# Altium PCB HOUZZkitF1_Tester.PcbDoc (part 1 of 2) (continued)
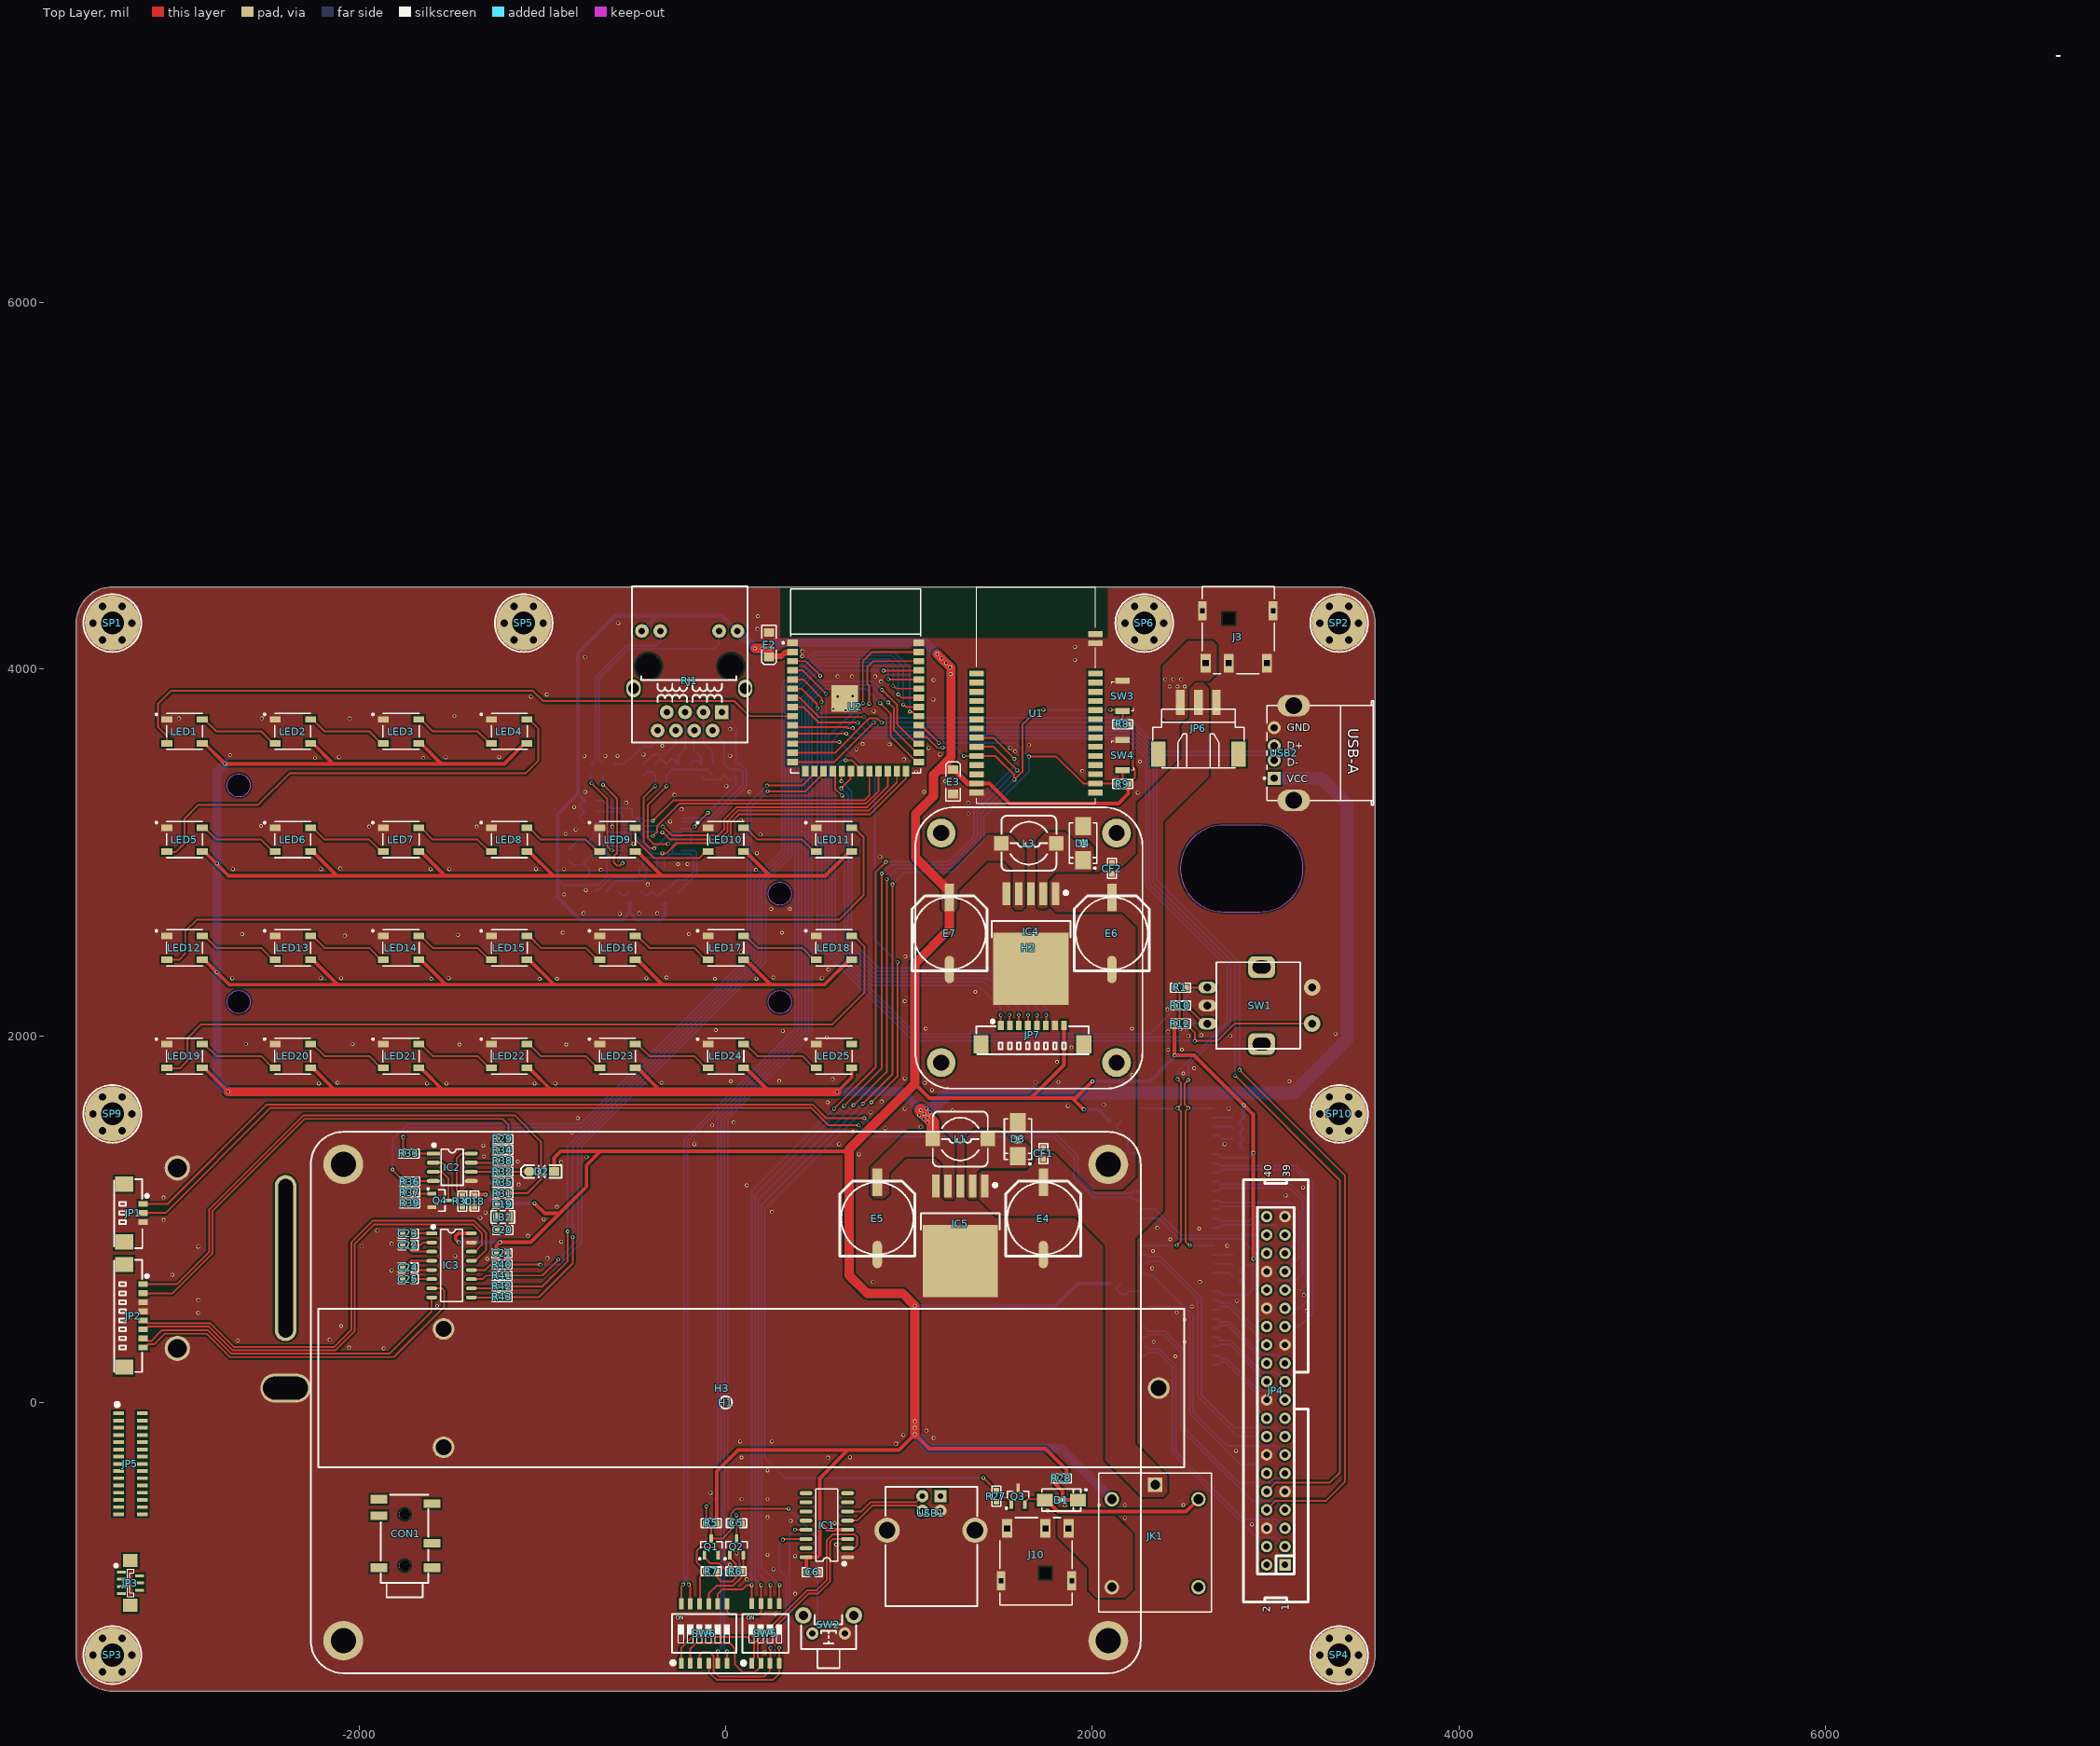
[diagram p0: Top Layer view]
## Footprints (in the part's own frame and the unit in brackets; to place one, negate y for a bottom-side part, rotate by r counter-clockwise, add the part's x,y. Pads: shape width x height; smd on the part's side, far side on the other; paste and mask are expansions set on the pad)
1.69SPI_DISPLAY [mm]
  round 4 hole 2.2: 1(-12.15,15.9) 2(12.15,15.9) 3(12.15,-15.9) 4(-12.15,-15.9)
  silkscreen extent -15.75,-19.5 15.75,19.5
"C 0603_L" [mil] "无极性贴片电容"
  rect 30x30 smd: 1(-30.59,0) 2(30.59,0)
  silkscreen extent -55,-24 55,24, body extent -31,-16 31,16, height 32
"C 1206_L" [mil] "无极性贴片电容"
  rect 55x62 smd: 1(-55.12,0) 2(55.11,0)
  silkscreen extent -92,-41 92,41, body extent -63,-32 63,32, height 48
"CD A(3216)" [mm] "长3.2mm，宽1.6mm，厚1.6mm"
  rect 1.2x1.4 smd: 1(-1.7,0) 2(1.7,0)
  silkscreen extent -2.74,-1.02 2.67,1.02, body extent -1.6,-0.8 1.6,0.8, height 1.6
CDRH73 [mm] "7.3*7.3*3.4mm（长宽高）"
  rect 2x2 smd: 1(-3.81,0) 2(3.81,0)
  silkscreen extent -3.81,-3.81 3.81,3.81, body extent -3.65,-3.65 3.65,3.65, height 3.65
"CM F(10*10.2)" [mm] "贴片电解电容，直径10mm，高10.2mm"
  rect 3.8x1.3 smd: 1(5,0)
  oval 3.8x1.3 smd: 2(-5,0)
  silkscreen extent -5.2,-5.2 5.2,5.2, body extent -5.8,-5.15 5.8,5.15, height 10.2
"CSW1.27 SMD-4P" [mm] "长：6.68mm，宽：5.4mm，高：2.3mm"
  rect 0.65x1.5 smd: 1(-1.905,-4.15) 2(-0.635,-4.15) 3(0.635,-4.15) 4(1.905,-4.15) 5(1.905,4.15) 6(0.635,4.15) 7(-0.635,4.15) 8(-1.905,4.15)
  silkscreen extent -3.3,-4.35 3.18,2.7, body extent -3.34,-4.35 3.34,4.35, height 2.35
"CSW1.27 SMD-6P" [mm] "长：9.22mm，宽：5.4mm，高：2.3mm"
  rect 0.65x1.5 smd: 1(-3.175,-4.15) 2(-1.905,-4.15) 3(-0.635,-4.15) 4(0.635,-4.15) 5(1.905,-4.15) 6(3.175,-4.15) 7(3.175,4.105) 8(1.905,4.105) 9(0.635,4.105) 10(-0.635,4.105) 11(-1.905,4.105) 12(-3.175,4.105)
  silkscreen extent -4.57,-4.31 4.45,2.7, body extent -4.61,-4.35 4.61,4.35, height 2.35
DC-044A [mm] "THT, 5-Pin, Body 11.60x10.10"
  rect 2.6x1.4 hole 0.8 square unplated: 1(4.55,-4.5) 2(4.55,4) 3(4.55,-1.3)
  rect 2.6x1.2 hole 0.6 square unplated: 4(-2.7,4.85) 5(-2.7,-4.95)
  round 0 hole 1.5 square unplated: MH(-1.65,-1.3)
  silkscreen extent -6.05,-5 6.05,5, body extent -6.05,-5 6.05,5, height 7.2
EC11 [mm] "数字开关编码器"
  rrect50% 3.7x3 hole 1.8 slot 2.5 at 0 deg: 0(-0.254,5.334) 0(-0.254,-5.334)
  round 2.3 hole 1.1: 1(-7.25,2.5) 2(-7.25,-2.5)
  oval 2.5x1.6 hole 1.1: A(7.25,-2.5) B(7.25,2.5) C(7.25,0)
  silkscreen extent -5.59,-6 6,6, body extent -7.35,-6.24 7.45,6.24, height 22
ESFS-ESP32-S3-WROOM-1_V [mm] "SMD Module, 40-Leads, Body 18x25.5mm, Pitch 1.27mm"
  rect 1.5x0.9 smd: 1(-8.75,5.26) 2(-8.75,3.99) 3(-8.75,2.72) 4(-8.75,1.45) 5(-8.75,0.18) 6(-8.75,-1.09) 7(-8.75,-2.36) 8(-8.75,-3.63) 9(-8.75,-4.9) 10(-8.75,-6.17) 11(-8.75,-7.44) 12(-8.75,-8.71) 13(-8.75,-9.98) 14(-8.75,-11.25) 27(8.75,-11.25) 28(8.75,-9.98) 29(8.75,-8.71) 30(8.75,-7.44) 31(8.75,-6.17) 32(8.75,-4.9) 33(8.75,-3.63) 34(8.75,-2.36) 35(8.75,-1.09) 36(8.75,0.18) 37(8.75,1.45) 38(8.75,2.72) 39(8.75,3.99) 40(8.75,5.26)
  rect 0.9x1.5 smd: 15(-6.985,-12.5) 16(-5.715,-12.5) 17(-4.445,-12.5) 18(-3.175,-12.5) 19(-1.905,-12.5) 20(-0.635,-12.5) 21(0.635,-12.5) 22(1.905,-12.5) 23(3.175,-12.5) 24(4.445,-12.5) 25(5.715,-12.5) 26(6.985,-12.5)
  rrect0% 3.7x3.7 smd paste-5: 41(-1.5,-2.46)
  silkscreen extent -10.17,-12.75 9,12.75, body extent -9.01,-12.76 9.01,12.75, height 3.21
"FB 0805_L" [mil] "小功率贴片磁珠"
  rect 35x50 smd: 1(-37.4,0) 2(37.4,0)
  silkscreen extent -64,-34 64,34, body extent -39,-24 39,24, height 35
"FPC0.5 K-A-7PB" [mm] "长：7.7mm，宽：5.2mm，高：2mm"
  rect 0.4x1.25 smd mask+0.05: 1(-1.5,-1.25) 2(-1,1.25) 3(-0.5,-1.25) 4(0,1.25) 5(0.5,-1.25) 6(1,1.25) 7(1.5,-1.25)
  rect 1.8x2 smd mask+0.05: 8(3.1,0) 9(-3.1,0)
  silkscreen extent -2.59,-2.19 1.9,0.5, body extent -4.6,-1.73 4.55,1.77, height 4.55
FPC1.0-2H-LI-15P [mm] "翻盖FPC，脚距1mm，不含脚（长19.9mm，宽5.2mm，高1.96mm）"
  rect 0.5x1.5 smd mask+0.05: 1(-7,-1.65) 1(-7,1.65) 2(-6,-1.65) 2(-6,1.65) 3(-5,-1.65) 3(-5,1.65) 4(-4,-1.65) 4(-4,1.65) 5(-3,1.65) 5(-3,-1.65) 6(-2,1.65) 6(-2,-1.65) 7(-1,1.65) 7(-1,-1.65) 8(0,1.65) 8(0,-1.65) 9(1,1.65) 9(1,-1.65) 10(2,1.65) 10(2,-1.65) 11(3,1.65) 11(3,-1.65) 12(4,-1.65) 12(4,1.65) 13(5,-1.65) 13(5,1.65) 14(6,-1.65) 14(6,1.65) 15(7,-1.65) 15(7,1.65)
  silkscreen extent -8.47,-2.08 -7.97,-1.58, body extent -11.05,-2.25 11.05,2.25, height 5.5
HOUZZKIT-F1 [mm]
  round 5.5 hole 3.5: 1(-53,33) 2(53,33) 3(53,-33) 4(-53,-33)
  silkscreen extent -57.5,-37.5 57.5,37.5
IDC2.54-LI-2x20P [mm] "40P简易牛角座"
  rect 1.6x1.6 hole 0.9: 1(0,0)
  round 1.6 hole 0.9: 2(0,2.54) 3(2.54,0) 4(2.54,2.54) 5(5.08,0) 6(5.08,2.54) 7(7.62,0) 8(7.62,2.54) 9(10.16,0) 10(10.16,2.54) 11(12.7,0) 12(12.7,2.54) 13(15.24,0) 14(15.24,2.54) 15(17.78,0) 16(17.78,2.54) 17(20.32,0) 18(20.32,2.54) 19(22.86,0) 20(22.86,2.54) 21(25.4,0) 22(25.4,2.54) 23(27.94,0) 24(27.94,2.54) 25(30.48,0) 26(30.48,2.54) 27(33.02,0) 28(33.02,2.54) 29(35.56,0) 30(35.56,2.54) 31(38.1,0) 32(38.1,2.54) 33(40.64,0) 34(40.64,2.54) 35(43.18,0) 36(43.18,2.54) 37(45.72,0) 38(45.72,2.54) 39(48.26,0) 40(48.26,2.54)
  silkscreen extent -5.11,-3.23 53.37,5.77, body extent -5.08,-3.08 53.34,5.77, height 9.17
"LED 0603B" [mil] "蓝色0603LED"
  rect 30x30 smd: 1(-30.59,0)
  oct 30x30 smd: 2(30.59,0)
  silkscreen extent -54,-24 65,24, body extent -31,-16 31,16, height 24
"LQFP48 7X7_N" [mm] "48脚，体宽7x7mm，脚距0.5mm"
  oval 0.279x1.8 smd: 1(-2.75,-4.075) 2(-2.25,-4.075) 3(-1.75,-4.075) 4(-1.25,-4.075) 5(-0.75,-4.075) 6(-0.25,-4.075) 7(0.25,-4.075) 8(0.75,-4.075) 9(1.25,-4.075) 10(1.75,-4.075) 11(2.25,-4.075) 12(2.75,-4.075) 25(2.75,4.075) 26(2.25,4.075) 27(1.75,4.075) 28(1.25,4.075) 29(0.75,4.075) 30(0.25,4.075) 31(-0.25,4.075) 32(-0.75,4.075) 33(-1.25,4.075) 34(-1.75,4.075) 35(-2.25,4.075) 36(-2.75,4.075)
  oval 1.8x0.279 smd: 13(4.075,-2.75) 14(4.075,-2.25) 15(4.075,-1.75) 16(4.075,-1.25) 17(4.075,-0.75) 18(4.075,-0.25) 19(4.075,0.25) 20(4.075,0.75) 21(4.075,1.25) 22(4.075,1.75) 23(4.075,2.25) 24(4.075,2.75) 37(-4.075,2.75) 38(-4.075,2.25) 39(-4.075,1.75) 40(-4.075,1.25) 41(-4.075,0.75) 42(-4.075,0.25) 43(-4.075,-0.25) 44(-4.075,-0.75) 45(-4.075,-1.25) 46(-4.075,-1.75) 47(-4.075,-2.25) 48(-4.075,-2.75)
  silkscreen extent -3.93,-4.7 2.79,2.79, body extent -4.5,-4.5 4.5,4.5, height 1.45
M3x4_N [mil] "M3铜柱，长：4mm"
  round 40 hole 40: 1(-106,0) 1(-53,-91.8) 1(-53,91.8) 1(53,-91.8) 1(53,91.8) 1(106,0)
  round 300 hole 125: 1(0,0)
  silkscreen extent -157,-157 157,157, body extent -106,-93 106,93, height 159
"MX 1.25-LS-3P" [mm] "长：8.5m，宽：3.7mm，高：4.7mm"
  rect 2.1x2.5 smd: 0(-0.254,-0.381) 0(7.732,-0.381)
  rect 0.8x1.3 smd: 1(2.489,2.261) 2(3.739,2.261) 3(4.989,2.261)
  silkscreen extent -0.92,-1.78 8.61,2.99, body extent -0.7,-1.6 8.2,2.5, height 4.7
"MX 1.25-LS-8P" [mm] "长：14.75m，宽：3.7mm，高：4.7mm"
  rect 2.1x2.5 smd: 0(-7.132,-0.381) 0(7.104,-0.381)
  rect 0.8x1.3 smd: 1(-4.389,2.261) 2(-3.139,2.261) 3(-1.889,2.261) 4(-0.639,2.261) 5(0.611,2.261) 6(1.861,2.261) 7(3.111,2.261) 8(4.361,2.261)
  silkscreen extent -7.79,-1.78 7.77,2.99, body extent -7.57,-1.6 7.57,2.5, height 4.7
"OSC 3225-4P" [mm] "3.2*2.5*0.7mm(长宽高)"
  rect 1.3x1.2 smd: 1(-1.05,-0.85) 2(1.05,-0.85) 3(1.05,0.85) 4(-1.05,0.85)
  silkscreen extent -2.03,-1.75 1.91,1.65, body extent -1.6,-1.25 1.6,1.25, height 0.7
PJ342A [mm] "有头"
  round 1.5 hole 1.5: 0(0,-4.4) 0(0,-11.5)
  rect 2.3x1.2 smd: 1(-3.81,-4.1) 2(3.556,-4.1) 3(-3.81,-7.5) 4(3.556,-11.3) 5(-3.81,-13) 6(3.556,-13.6)
  silkscreen extent -3.3,-14.22 3.3,0, body extent -4.15,-14.1 4.15,0, height 4.7
R44SF [mm]
  round 3 hole 2.2: 1(0,0) 2(-99.11,8.2) 3(-99.11,-8.2)
  oval 7x4 hole 3.2 slot 6.2 at 0 deg: 4(-121,0)
  silkscreen extent -116.48,-11 3.52,11, body extent -116.53,-11.08 3.53,11, height 6.54
"R 0603_L" [mil] "1/10W贴片电阻"
  rect 30x30 smd: 1(-30.59,0) 2(30.59,0)
  silkscreen extent -55,-24 55,24, body extent -31,-16 31,16, height 16
RF-BM-2652P2 [mm]
  rect 2x0.8 smd: 1(-8.231,16.51) 2(-8.231,15.24) 3(-8.231,13.97) 4(-8.231,12.7) 5(-8.231,11.43) 6(-8.231,10.16) 7(-8.231,8.89) 8(-8.231,7.62) 9(-8.231,6.35) 10(-8.231,5.08) 11(-8.231,3.81) 12(-8.231,2.54) 13(-8.231,1.27) 14(-8.231,0) 15(8.232,0.001) 16(8.232,1.271) 17(8.232,2.541) 18(8.232,3.811) 19(8.232,5.081) 20(8.232,6.351) 21(8.232,7.621) 22(8.232,8.891) 23(8.232,10.161) 24(8.232,11.431) 25(8.232,12.701) 26(8.232,13.971) 27(8.232,15.241) 28(8.232,16.511) 29(8.227,20.709) 30(8.234,21.979)
  silkscreen extent -8.23,-1.51 8.25,28.48, body extent -8.2,-1.5 8.2,28.5, height 2.2
RJ-45A12 [mm] "网线接口"
  oval 2x2.5 hole 1.5: 0(-7.695,3.05) 0(7.785,3.05)
  round 3.302 hole 3.5: 0(-5.715,0) 0(5.715,0)
  rect 1.905x1.905 hole 0.9: 1(-4.445,6.35)
  round 1.905 hole 0.9: 2(-3.175,8.89) 3(-1.905,6.35) 4(-0.635,8.89) 5(0.635,6.35) 6(1.905,8.89) 7(3.175,6.35) 8(4.445,8.89) 9(-6.625,-4.9) 10(-4.085,-4.9) 11(4.085,-4.9) 12(6.625,-4.9)
  silkscreen extent -8,-11.1 8,10.54, body extent -7.97,-10.93 7.91,10.47, height 1.5
SMA [mm] "4.5x2.6*2.2mm（长宽高，不包括引脚）"
  rect 2.2x1.75 smd: 1(-2.3,0) 2(2.3,0)
  silkscreen extent -2.7,-1.52 3.56,1.52, body extent -2.53,-1.3 2.58,1.3, height 2.15
SMB [mm] "4.7*3.9*2.2mm(长宽高，不包括引脚）"
  rect 2.5x2.2 smd: 1(-2.35,0) 2(2.35,0)
  silkscreen extent -2.8,-1.9 3.57,1.9, body extent -2.63,-1.8 2.67,1.8, height 2.35
SOD-123 [mil] "2.7x1.6X1.1mm（长宽高，不包括引脚）"
  rect 55x50 smd: 1(-67.5,0)
  oct 55x50 smd: 2(67.5,0)
  silkscreen extent -108,-35 112,35, body extent -73,-31 73,31, height 48
SOP8_N [mm] "5*6*1.8mm（长宽高）"
  rect 1.8x0.55 smd: 1(-2.625,1.905)
  oval 1.8x0.55 smd: 2(-2.625,0.635) 3(-2.625,-0.635) 4(-2.625,-1.905) 5(2.625,-1.905) 6(2.625,-0.635) 7(2.625,0.635) 8(2.625,1.905)
  silkscreen extent -2.69,-2.5 1.52,3.2, body extent -3,-2.5 3,2.5, height 1.9
SOP16_L [mm] "10.3*6.2*1.8mm（长宽高）"
  rect 1.5x0.5 smd: 1(-2.752,4.445)
  oval 1.5x0.5 smd: 2(-2.752,3.175) 3(-2.752,1.905) 4(-2.752,0.635) 5(-2.752,-0.635) 6(-2.752,-1.905) 7(-2.752,-3.175) 8(-2.752,-4.445) 9(2.752,-4.445) 10(2.752,-3.175) 11(2.752,-1.905) 12(2.752,-0.635) 13(2.752,0.635) 14(2.752,1.905) 15(2.752,3.175) 16(2.752,4.445)
  silkscreen extent -2.69,-5 1.52,5.49, body extent -3,-5 3,5, height 1.9
SOP16_N [mm] "10.3*6.2*1.8mm（长宽高）"
  oval 1.8x0.55 smd: 1(-2.877,4.445) 2(-2.877,3.175) 3(-2.877,1.905) 4(-2.877,0.635) 5(-2.877,-0.635) 6(-2.877,-1.905) 7(-2.877,-3.175) 8(-2.877,-4.445) 9(2.877,-4.445) 10(2.877,-3.175) 11(2.877,-1.905) 12(2.877,-0.635) 13(2.877,0.635) 14(2.877,1.905) 15(2.877,3.175) 16(2.877,4.445)
  silkscreen extent -2.57,-5 1.52,5.49, body extent -3,-5 3,5, height 1.9
SOP28_N [mm] "17.9*10.6*2.6mm（长宽高）"
  rect 2.1x0.55 smd: 1(-5.05,8.255)
  oval 2.1x0.55 smd: 2(-5.05,6.985) 3(-5.05,5.715) 4(-5.05,4.445) 5(-5.05,3.175) 6(-5.05,1.905) 7(-5.05,0.635) 8(-5.05,-0.635) 9(-5.05,-1.905) 10(-5.05,-3.175) 11(-5.05,-4.445) 12(-5.05,-5.715) 13(-5.05,-6.985) 14(-5.05,-8.255) 15(5.05,-8.255) 16(5.05,-6.985) 17(5.05,-5.715) 18(5.05,-4.445) 19(5.05,-3.175) 20(5.05,-1.905) 21(5.05,-0.635) 22(5.05,0.635) 23(5.05,1.905) 24(5.05,3.175) 25(5.05,4.445) 26(5.05,5.715) 27(5.05,6.985) 28(5.05,8.255)
  silkscreen extent -5.23,-8.95 3.3,10.31, body extent -5.15,-8.95 5.15,8.95, height 2.7
SOT23-3N [mm] "3x1.3x1mm(长宽高)"
  rect 0.5x1.2 smd: 1(-0.95,-1.143) 2(0.95,-1.143) 3(0,1.143)
  silkscreen extent -1.72,-1.78 1.5,0.7, body extent -1.5,-1.2 1.5,1.2, height 1.05
SRD-03VDC-SL-C [mm] "THD, 5-Leads, Body 19.2x15.6mm"
  rect 2x2 hole 1.3: 1(8.1,0)
  round 2 hole 1.3: 2(6.1,6) 3(-6.1,6) 4(-6.1,-6) 5(6.1,-6)
  silkscreen extent -9.5,-7.8 9.7,7.8, body extent -9.25,-7.54 9.45,7.54, height 14.94
TFCARD_TEST_WIRE_FEMALE [mm]
  round 3.5 hole 2.6: 1(-12.5,0) 2(12.5,0)
  oval 23x3 hole 2 slot 22 at 0 deg: 12(0,-15)
  silkscreen extent -14.75,-11.25 14.75,11.25, body extent -14.75,-11.25 14.75,14.06, height 2.85
TO263-5A [mm] "263，5脚晶体管"
  rect 1.05x3.2 smd: 1(-3.4,0) 2(-1.7,0) 3(0,0) 4(1.7,0) 5(3.4,0)
  rect 10.45x10 smd: 3(0,10.414)
  silkscreen extent -5.46,-0.33 5.46,6.04, body extent -5,-0.01 5,13.32, height 4.5
TS3x4x2 [mm] "防水轻触开关3x4x2"
  rect 2x0.8 smd: 1(0,2.1) 2(0,-2.1)
  silkscreen extent -1.5,-2 1.5,2, body extent -1.5,-2.2 1.5,2.2, height 2
"TSW DIP-6*6*6_V" [mm] "侧按轻触开关 6*6*6mm"
  round 2.3 hole 1.3: 0(-3.5,2.5) 0(3.5,2.5)
  round 1.7 hole 0.9: 1(-2.25,0) 2(2.25,0)
  silkscreen extent -3.81,-4.83 3.81,2.54, body extent -4.18,-4.72 4.18,4.13, height 7.47
USB-A/S_A [mm] "A型直插母头，"
  rect 1.8x1.8 hole 1: 1(0,-3.5)
  round 1.8 hole 1: 2(0,-1) 3(0,1) 4(0,3.5)
  oval 4.5x3 hole 2.3: 4(2.71,-6.57) 4(2.71,6.57)
  silkscreen extent -1.47,-7.25 13.75,7.25, body extent -0.6,-7.34 13.7,7.34, height 6.8
USB-B/S_A [mm] "b型USB 母座 16.3*13.7*11mm"
  rect 1.7x1.7 hole 0.8: 1(1.25,2.032)
  round 1.7 hole 0.8: 2(-1.25,2.032) 3(-1.25,0) 4(1.25,0)
  round 3.5 hole 2.3: 4(-6.141,-2.71) 4(6.051,-2.71)
  silkscreen extent -6.35,-13.21 6.35,3.3, body extent -6.86,-13.16 6.86,3.14, height 11.45
WRSM-SMD5050-4_V [mm] "SMD, 4-Leads, Body 5x5mm"
  rect 1.5x0.9 smd: 1(-2.45,1.65) 2(-2.45,-1.65) 3(2.45,-1.65) 4(2.45,1.65)
  silkscreen extent -2.5,-2.5 4.02,2.5, body extent -2.7,-2.5 2.7,2.5, height 1.68
XH2.54-WS-3P [mm] "长：12.5mm，宽：8mm，高：6.1mm"
  rect 2x3.5 smd: 0(-5.577,-2.15) 0(5.577,-2.15)
  rect 1.2x3.5 smd: 1(-2.5,4.981) 2(0,4.981) 3(2.5,4.981)
  silkscreen extent -6.35,-4.06 6.35,4.06, body extent -6.25,-4 6.25,6.42, height 6.05

## Part data
C5 C6 C7 C8 C9 C10 C11 C12 C13 C14 C15 C16 C26 C27 C28 C29: library part C, "无极性贴片电容", BOM名称=无极性贴片电容, 学习资源=www.ooocke.com, 材质=X7R, 版权归属=源创客
C17: library part C, "2KV", BOM名称=无极性贴片电容, 学习资源=www.ooocke.com, 材质=X7R, 版权归属=源创客
C18 C19 C20 C21 C22 C23 C24 C25: library part C, "x5R 10V", BOM名称=无极性贴片电容, 学习资源=www.ooocke.com, 材质=X7R, 版权归属=源创客
CF1 CF2: library part C, "X7R  25V", BOM名称=无极性贴片电容, 学习资源=www.ooocke.com, 材质=X7R, 版权归属=源创客
CON1: "3.5耳机插座,4Pin", BOM名称=耳机插座, 学习资源=www.ooocke.com, 版权归属=源创客
D1: "整流二极管", BOM名称=整流二极管, 学习资源=www.ooocke.com, 版权归属=源创客
D2: "肖特基二极管", BOM名称=肖特基二极管, 学习资源=www.ooocke.com, 属性=40V/2A, 版权归属=源创客
D3 D4: library part SS24, "肖特基二极管", BOM名称=肖特基二极管, 学习资源=www.ooocke.com, 属性=40V/2A, 版权归属=源创客
E2 E3: library part C-CD, "贴片钽电容", BOM名称=贴片钽电容, 学习资源=www.ooocke.com, 版权归属=源创客
E4 E5 E6 E7: library part C-CM, "贴片电解电容", BOM名称=贴片电解电容, 学习资源=www.ooocke.com, 版权归属=源创客
IC1: library part CH340G, "串口转USB", BOM名称=串口转USB, 学习资源=www.ooocke.com, 版权归属=源创客
IC2: "RS485总线收发芯片", BOM名称=RS485总线收发芯片, 学习资源=www.ooocke.com, 版权归属=源创客
IC4: library part LM2596-5.0, "DC降压芯片"
IC5: library part LM2596-3.3, "DC降压芯片"
J3 J10: "DC Power Jack, Outer Diameter 6 mm"
JK1: "Power Relay, 3 VDC, SPDT (1c)", Publisher="Bolgen Studio"
JP1 JP6: library part "Header 3", "3P接插件", BOM名称=3P接插件, 学习资源=www.ooocke.com, 版权归属=源创客
JP2 JP7: library part "Header 8", "8P接插件", BOM名称=8P接插件, 学习资源=www.ooocke.com, 版权归属=源创客
JP3: library part FPC-7P, "FPC连接器", BOM名称=FPC连接器, 学习资源=www.ooocke.com, 版权归属=源创客
JP4: library part "Header 20X2", "20*2P接插件", BOM名称=20*2P接插件, 学习资源=www.ooocke.com, 版权归属=源创客
JP5: library part FPC-15P, "FPC连接器", BOM名称=FPC连接器, 学习资源=www.ooocke.com, 版权归属=源创客
L1 L3: library part L-CDRH, "功率屏蔽电感  3A", BOM名称=功率屏蔽电感, 学习资源=www.ooocke.com, 版权归属=源创客
LB1 LB2: library part LB, "磁珠", BOM名称=磁珠, 学习资源=www.ooocke.com, 版权归属=源创客
LED1 LED2 LED3 LED4 LED5 LED6 LED7 LED8 LED9 LED10 LED11 LED12 LED13 LED14 LED15 LED16 LED17 LED18 LED19 LED20 LED21 LED22 LED23 LED24 LED25: "Intelligent Control LED Integrated Light Source, 3.7 to 5.3 V, -25 to 85 degC, 4-Pin SMD5050, RoHS, Tape and Reel", Manufacturer="World Semiconductor", Max Operating Temperature="80 degC", Min Operating Temperature="-25 degC", Package Description="4-Pin Surface Mount Device, Body 5 x 5 mm", Package Quantity=1000, Package Reference=SMD5050-4, Power Supply="3.7V - 5.3V", ComponentLink1Description="Manufacturer URL", ComponentLink1URL=http://www.world-semi.com/, ComponentLink2Description=Datasheet, ComponentLink2URL=http://www.world-semi.com/DownLoadFile/108, Datasheet Version="Rev 5.0, 03/2019", Mounting Technology="Surface Mount", Part Number=WS2812B, Publisher="Bolgen Studio"
LED26: library part LED-SMD, "贴片LED", BOM名称=贴片LED, 学习资源=www.ooocke.com, 版权归属=源创客
Q1 Q2 Q4: library part 8050-SMD, "高频放大-NPN型", BOM名称=高频放大-NPN型, 学习资源=www.ooocke.com, 属性="40V 1.5A 1W 100MHZ", 版权归属=源创客
Q3: library part 8550-SMD, "高频放大-PNP型", BOM名称=高频放大-PNP型, 学习资源=www.ooocke.com, 属性="40V 1.5A 1W 100MHZ", 版权归属=源创客
R1 R5 R6 R7 R8 R9 R10 R12 R13 R14 R15 R16 R17 R18 R19 R20 R21 R22 R23 R24 R25 R26 R27 R28 R30 R33 R36 R37 R39 R40 R41 R42 R43 R44 R45 R46 R47 R48 R49 R50 R51: library part R, "贴片电阻", BOM名称=贴片电阻, 学习资源=www.ooocke.com, 版权归属=源创客
R29 R31 R32 R34 R35 R38: library part R, "5%", BOM名称=贴片电阻, 学习资源=www.ooocke.com, 版权归属=源创客
RJ1: "带灯以太网接口", BOM名称=带灯以太网接口, 学习资源=www.ooocke.com, 版权归属=源创客
SP1 SP2 SP3 SP4 SP5 SP6 SP9 SP10: library part 铜柱大焊盘, "铜柱", BOM名称=铜柱, 学习资源=www.ooocke.com, 版权归属=源创客
SW1: "数字开关编码器"
SW2: library part "TSW DIP-6x6_V", "侧按直插6x6轻触开关", BOM名称=直插6x6轻触开关, 学习资源=www.ooocke.com, 版权归属=源创客
SW3 SW4: library part "TSW 2x4", "3x6轻触开关", BOM名称=3x6轻触开关, 学习资源=www.ooocke.com, 版权归属=源创客
SW5: "4路编码开关", BOM名称=4路编码开关, 学习资源=www.ooocke.com, 版权归属=源创客
SW6: "6路编码开关", BOM名称=6路编码开关, 学习资源=www.ooocke.com, 版权归属=源创客
U2: "2.4 GHz Wi-Fi and Bluetooth 5 Module, ESP32-S3R8, 8 MB Flash, 8 MB PSRAM, PCB Antenna, -40 to 65 degC, 40-Pin SMD, RoHS, Tape and Reel", Frequery="240 MHz", Manufacturer="Espressif Systems", Operating Temperature="–40 °C ~ +65 °C", Package Description="40-Pin Surface Mount Module, 18 x 25.5 mm Body, 1.27 mm Pitch, 3.1 mm Height", Package Reference=ESP32-S3-WROOM-1, Bluetooth="Bluetooth LE v5.0", ComponentLink1Description="Manufacturer URL", ComponentLink1URL=https://www.espressif.com/, ComponentLink2Description="Datasheet Link", ComponentLink2URL=https://www.espressif.com/sites/default/files/documentation/esp32-s3-wroom-1_wroom-1u_datasheet_en.pdf, Datasheet Version="Rev. 1.0, 04/2022", Flash="8 MB", GPIO=36, Mounting Technology="Surface Mount", Part Number=ESP32-S3-WROOM-1-N8R8, PSRAM="8 MB", Publisher="Bolgen Studio", ROM="384 KB", SRAM="512 KB", Type=Module, Wi-Fi="IEEE 802.11 b/g/n; 2.4 GHz; HT20/40; up to 150 Mbps"
U5: "网络芯片", BOM名称=网络芯片, 学习资源=www.ooocke.com, 版权归属=源创客
U6 U7: "IIC 16位IO扩展芯片", BOM名称="IIC 16位IO扩展芯片", 学习资源=www.ooocke.com, 版权归属=源创客
USB1: library part USB-B/S, "USB-B型母接口", BOM名称=USB-B型母接口, 学习资源=www.ooocke.com, 版权归属=源创客
USB2: library part USB-A/S, "USB 2.0, Type A, Receptacle, 4 Pin", Publisher="Bolgen Studio"
X1: library part XTAL-4P, "4脚无源晶振", BOM名称=4脚无源晶振, 学习资源=www.ooocke.com, 版权归属=源创客, 负载电容=CL20pF
IC3: BOM名称=MAX232, 学习资源=www.ooocke.com, 版权归属=源创客

## Via types
v1: diameter 20, hole 12, Top Layer to Bottom Layer, 406 vias

## Nets (pads, with @x,y where several pads share a name; then routed paths per layer and width w, separated by ;. In a path a pad name is that pad's centre, name@x,y a point inside that pad or via, vN(x,y) a via of type N, cw(c..) or ccw(c..) an arc to the next point about the centre after c; other vN are vias at no path point)
485A: JP2.1 R31.1 | length 3162.9
  Top Layer w10: JP2.1@-3178.72,645.23 -2994.4,645.23 -2818.9,820.73 -2818.9,1051.18 -2303.15,1566.93 -1151.53,1566.93 -1007.87,1423.28 -1007.87,1216.54 -1082.68,1141.73 R31.1@-1185.95,1141.73
485B: JP2.2 R29.1 | length 2614.1
  Top Layer w10: JP2.2@-3178.72,596.02 -3018.16,596.02 -2800.9,813.28 -2800.9,1043.73 -2297.38,1547.24 -1216.54,1547.24 -1185.95,1516.65 R29.1@-1185.95,1437.01
+3.3: C6.2 C18.2 C21.2 C26.2 C28.2 D2.1 E2.1 E3.1 E7.1 IC1.4 IC1.16 IC2.8 IC3.16 IC4.4 JK1.2 JP7.8 L3.2 LB1.1 R1.1 R5.2 R8.2 R9.2 R10.1 R12.1 R14.2 R15.2 R16.2 R17.2 R28.2 R30.2 R44.1 R46.2 R47.2 R48.1 R49.2 R50.2 R51.2 RJ1.9 RJ1.12 U1.13 U2.2 U5.28 U6.20 U7.20 | length 26900.5
  Top Layer w10: IC2.8@-1388.78,1358.47 -1440.75,1358.47 -1468.5,1330.71 -1468.5,1160.51 R30.2@-1437.01,1129.02 -1412.48,1153.54 -1394.61,1153.54 C18.2@-1370.08,1129.02 ; R9.2@2195.95,3374.02 2232.28,3410.35 2232.28,3452.91 2220.47,3464.72 2220.47,3676.26 R8.2@2195.95,3700.79 ; R12.1@2448.82,2066.02 R12.1@2449.73,2066.93 2476.38,2093.58 2476.38,2138.7 R10.1@2449.72,2165.35 2476.38,2192.01 2476.38,2237.13 R1.1@2449.72,2263.78
  Top Layer w20: v1(-1456.69,874.02) -1474,891.32 -1474,907.89 -1458.86,923.03 IC3.16@-1387.72,923.03 ; C18.2@-1370.08,1129.02 -1365.24,1133.86 v1(-1311.02,1133.86) ; C21.2@-1251.06,814.96 -1251.06,855.24 v1(-1232.28,874.02) -1062.99,874.02 -905.51,1031.5 ; v1(-1043.31,1086.61) -988.19,1031.5 -905.51,1031.5 ; D2.1@-936.44,1259.84 -936.44,1335.22 -901.57,1370.08 -685.04,1370.08 ; R5.2@-48.15,-657.48 -48.15,-374.92 66.93,-259.84 665.35,-259.84 ; IC1.16@437.91,-844.29 IC1.16@439.12,-844.29 ; C6.2@441.85,-925.2 439.88,-923.23 439.88,-845.06 IC1.16@439.12,-844.29 ; IC1.4@664.45,-694.29 552.56,-694.29 511.81,-653.54 ; 673.23,1370.08 -685.04,1370.08 ; 1031.5,1740.16 1110.24,1661.42 1665.35,1661.42 ; U1.13@1368.73,3376.77 1438.19,3376.77 1547.24,3267.72 2141.73,3267.72 2195.95,3321.93 R9.2@2195.95,3374.02 ; JP7.8@1844.93,2057.5 1844.93,1840.99 1665.35,1661.42 ; R28.2@1861.3,-413.38 1861.3,-369.17 1744.09,-251.97 1110.24,-251.97 v1(1031.5,-173.23) 944.88,-259.84 665.35,-259.84 ; v1(1952.76,1598.43) 1889.76,1661.42 ; v1(2000,1751.97) 1909.45,1661.42 1889.76,1661.42 ; R12.1@2448.82,2066.02 v1(2448.82,1893.7) 2555.12,1893.7 v1(2826.77,1622.05) 2878.47,1570.35 v1(2878.47,784.24) ; -905.51,1031.5 -759.84,1177.17 -759.84,1295.28 -685.04,1370.08 ; IC1.16@439.12,-844.29 500.1,-844.29 511.81,-832.58 511.81,-653.54 ; 511.81,-653.54 511.81,-413.39 665.35,-259.84 ; 1665.35,1661.42 1889.76,1661.42
  Top Layer w30: E2.1@238.78,4069.49 240.16,4070.87 303.15,4070.87 323.66,4091.38 361.46,4091.38 U2.2@364.17,4094.09 ; E3.1@1240.16,3452.76 1244.09,3452.76 1319.33,3377.52 1367.98,3377.52 U1.13@1368.73,3376.77
  Top Layer w50: v1(158.47,4114.17) v1(199.31,4114.17) v1(240.16,4114.17) ; E2.1@236.22,4066.93 237.4,4066.93 238.78,4068.31 238.78,4069.49 v1@238.78,4111.07 ; v1(1031.5,-173.23) v1(1031.5,-137.8) v1(1031.5,-102.36) v1(1031.5,527.56) 964.57,594.49 771.65,594.49 673.23,692.91 673.23,1370.08 673.23,1381.89 1031.5,1740.16 1031.5,2393.7 1220.47,2582.68 E7.1@1220.47,2755.91 1220.47,2805.12 1219.88,2805.71 1202.17,2805.71 1035.43,2972.44 1035.43,3208.66 1133.86,3307.09 1133.86,3423.47 1163.15,3452.76 ; v1(1153.54,4082.68) v1(1177.17,4059.06) v1(1224.41,4011.81) 1228.35,4007.87 1228.35,3517.96 1163.15,3452.76 ; E3.1@1240.16,3452.76 1163.15,3452.76
  Bottom Layer w10: -917.32,2854.33 -885.83,2822.83 -692.91,2822.83 -649.61,2866.14 -649.61,3019.61 -632.4,3036.81 -611.69,3036.81 -606.23,3031.35 -563.57,3031.35 U5.28@-563.37,3031.16 ; R15.2@-771.52,3161.75 -795.5,3185.73 -795.5,3199.01 R16.2@-771.52,3222.99 -795.28,3246.75 -795.28,3260.48 R17.2@-771.52,3284.24 ; U6.20@2659.45,606.5 2689.96,606.5 2709.84,586.61 2846.46,586.61 2878.47,618.62 v1(2878.47,784.24) v1@2877.35,783.13 ; U7.20@2659.45,1354.53 2689.96,1354.53 2709.84,1334.65 2850.39,1334.65 v1(2877.95,1362.2) ; C26.2@2825.87,629.92 2807.09,648.7 2807.09,670.2 R47.2@2825.87,688.98 2807.09,707.76 2807.09,729.25 R46.2@2825.87,748.03 2866.14,748.03 2877.35,759.24 ; C28.2@2825.87,1377.95 2807.09,1396.73 2807.09,1418.23 R51.2@2825.87,1437.01 2807.09,1455.79 2807.09,1477.28 R50.2@2825.87,1496.06 2807.09,1514.84 2807.09,1536.34 R49.2@2825.87,1555.12
  Bottom Layer w20: v1(-1456.69,874.02) v1(-1232.28,874.02) ; v1(-1311.02,1133.86) -1263.78,1086.61 v1(-1043.31,1086.61) ; R17.2@-771.52,3284.24 -807.09,3319.8 ; R14.2@-525.42,2726.85 -525.42,2671.43 ; RJ1.12@-457.67,4208.66 -375,4291.34 ; LB1.1@-330.55,2720.04 -330.55,2657.64 -354.33,2633.86 -487.84,2633.86 -525.42,2671.43 ; RJ1.9@63.98,4208.66 -18.7,4291.34 -375,4291.34 ; v1(1031.5,527.56) 1799.21,527.56 1921.26,649.61 R44.1@2095.39,649.61 ; v1(1952.76,1598.43) 2032.4,1598.43 R48.1@2095.39,1535.43 ; v1(2000,1751.97) 2314.96,1751.97 2448.82,1885.83 v1(2448.82,1893.7) ; R49.2@2825.87,1555.12 2826.77,1556.02 v1(2826.77,1622.05) ; -807.09,3319.8 -807.09,4086.61 -602.36,4291.34 -375,4291.34 ; -807.09,3319.8 -917.32,3209.57 -917.32,2854.33 -917.32,2755.91 -795.28,2633.86 -562.99,2633.86 -525.42,2671.43
  Bottom Layer w50: RJ1.9@63.98,4208.66 v1(158.47,4114.17) v1(199.31,4114.17) v1(240.16,4114.17) 271.65,4145.67 956.55,4145.67 1090.55,4145.67 v1(1153.54,4082.68) v1(1177.17,4059.06) 1226.38,4009.84 v1(1226.38,3974.41) ; v1(1031.5,-102.36) v1(1031.5,-137.8) v1(1031.5,-173.23) 1110.24,-251.97 1830.71,-251.97 JK1.2@2106.3,-527.56
  other v1: 1202.76,4033.46
+5: E5.1 IC5.4 L1.2 LED1.1 LED2.1 LED3.1 LED4.1 LED5.1 LED6.1 LED7.1 LED8.1 LED9.1 LED10.1 LED11.1 LED12.1 LED13.1 LED14.1 LED15.1 LED16.1 LED17.1 LED18.1 LED19.1 LED20.1 LED21.1 LED22.1 LED23.1 LED24.1 LED25.1 USB2.1 | length 22904.9
  Top Layer w20: LED19.1@-2856.3,1824.8 -2844.49,1824.8 v1(-2714.57,1694.88) ; LED12.1@-2856.3,2415.35 -2844.49,2415.35 v1(-2776.57,2347.44) -2708.66,2279.53 539.37,2279.53 667.48,2407.64 675.2,2415.35 LED18.1@687.01,2415.35 ; LED5.1@-2856.3,3005.91 -2844.49,3005.91 -2712.6,2874.02 543.31,2874.02 667.48,2998.19 679.29,2998.19 LED11.1@687.01,3005.91 ; LED1.1@-2856.3,3596.46 -2844.49,3596.46 v1(-2732.28,3484.25) -2141.73,3484.25 ; LED20.1@-2265.75,1824.8 -2253.94,1824.8 -2124.02,1694.88 ; LED13.1@-2265.75,2415.35 -2253.94,2415.35 -2124.02,2285.43 ; LED6.1@-2265.75,3005.91 -2253.94,3005.91 -2124.02,2875.98 ; LED2.1@-2265.75,3596.46 -2253.94,3596.46 -2141.73,3484.25 ; LED21.1@-1675.2,1824.8 -1663.39,1824.8 -1533.46,1694.88 ; LED14.1@-1675.2,2415.35 -1663.39,2415.35 -1533.46,2285.43 ; LED7.1@-1675.2,3005.91 -1663.39,3005.91 -1533.46,2875.98 ; LED3.1@-1675.2,3596.46 -1663.39,3596.46 -1551.18,3484.25 ; LED22.1@-1084.65,1824.8 -1072.83,1824.8 -942.91,1694.88 ; LED15.1@-1084.65,2415.35 -1072.83,2415.35 -942.91,2285.43 ; LED8.1@-1084.65,3005.91 -1072.83,3005.91 -942.91,2875.98 ; LED4.1@-1084.65,3596.46 -1096.46,3596.46 -1208.66,3484.25 -1551.18,3484.25 ; LED23.1@-494.09,1824.8 -482.28,1824.8 -352.36,1694.88 ; LED16.1@-494.09,2415.35 -482.28,2415.35 -352.36,2285.43 ; LED9.1@-494.09,3005.91 -482.28,3005.91 -352.36,2875.98 ; LED24.1@96.46,1824.8 108.27,1824.8 232.28,1700.79 238.19,1694.88 ; LED17.1@96.46,2415.35 108.27,2415.35 238.19,2285.43 ; LED10.1@96.46,3005.91 108.27,3005.91 238.19,2875.98 ; v1(608.27,1694.88) 687.01,1773.62 687.01,1817.09 691.1,1817.09 LED25.1@698.82,1824.8 ; -2141.73,3484.25 -1551.18,3484.25
  Top Layer w50: v1(-2714.57,1694.88) -2124.02,1694.88 -1533.46,1694.88 -942.91,1694.88 -352.36,1694.88 238.19,1694.88 v1(608.27,1694.88)
  Top Layer w70: v1(1062.99,1594.49) v1(1102.36,1555.12) 1129.53,1527.95 L1.2@1129.53,1437.01
  Bottom Layer w50: v1(-2732.28,3484.25) -2775.59,3440.95 -2775.59,2944.88 v1(-2775.59,2939.96) -2775.59,1755.91 v1(-2714.57,1694.88) ; v1(608.27,1694.88) 609.87,1696.49 960.99,1696.49 v1(1062.99,1594.49)
  Bottom Layer w70: v1(1062.99,1594.49) 1082.68,1594.49 1118.32,1594.49 1212.8,1688.98 3098.43,1688.98 3389.76,1980.31 3389.76,3263.78 3248.03,3405.51 USB2.1@2992.13,3405.51 ; v1(1082.68,1574.8) v1(1102.36,1555.12)
  other v1: 1102.36,1527.56 1078.74,1547.24 1055.12,1566.93 1114.17,1582.68 1094.49,1602.36
+12: CF1.2 CF2.2 E4.1 E6.1 IC4.1 IC5.1 JK1.1 JP6.2
+A3.3: C9.2 C10.2 LB1.2 R19.2 R20.2 R21.2 U5.4 U5.8 U5.11 U5.15 U5.17 U5.21 | length 1799.5
  Top Layer w10: v1(-169.29,3141.73) -169.29,3143.7 -98.43,3214.57 v1(-98.43,3216.54)
  Bottom Layer w10: C10.2@-464.17,2788.03 -443.86,2767.72 -423.24,2767.72 C9.2@-402.93,2788.03 -378.68,2763.78 -369.11,2763.78 -338.05,2794.84 LB1.2@-330.55,2794.84 -323.05,2794.84 -267.49,2850.39 -220.47,2850.39 -177.17,2893.7 -177.17,2976.38 -192.58,2991.79 U5.11@-242.48,2991.79 ; U5.21@-452.14,2919.92 -452.14,2965.18 -445.49,2971.84 -381.89,2971.84 -373.4,2963.34 ; U5.17@-373.4,2919.92 -373.4,2963.34 ; U5.15@-334.03,2919.92 -334.22,2920.11 -334.22,2962.76 ; -285.53,2995.02 -291.34,3000.83 -291.34,3039.37 -280.06,3050.65 -242.67,3050.65 U5.8@-242.48,3050.84 -197.19,3050.84 -188.98,3059.06 -188.98,3122.05 ; U5.11@-242.48,2991.79 -305.15,2991.83 -334.22,2962.76 ; U5.4@-242.48,3129.58 -196.51,3129.58 -188.98,3122.05 ; v1(-169.29,3141.73) -188.98,3122.05 ; R21.2@-133.86,3422.17 -107.86,3396.17 -33.87,3396.17 R20.2@-7.87,3422.17 19.48,3394.81 27.76,3394.81 R19.2@55.12,3422.17 55.12,3370.08 v1(-98.43,3216.54) ; -373.4,2963.34 -365.68,2971.06 -342.52,2971.06 -334.22,2962.76
ACTLED: R25.2 U5.27 | length 516.4
  Top Layer w10: v1(-732.28,3377.95) -645.67,3291.34 -645.67,3032.73 -624.75,3011.81 v1(-622.05,3011.81)
  Bottom Layer w10: v1(-732.28,3377.95) R25.2@-732.28,3422.17 ; v1(-622.05,3011.81) -621.88,3011.64 -563.54,3011.64 U5.27@-563.37,3011.47
AGND: C17.2 R26.2 RJ1.8 | length 341.3
  Bottom Layer w10: R26.2@-606.3,3483.35 -555.58,3483.35 -531.06,3507.87 C17.2@-527.56,3507.87 -524.06,3507.87 -453.19,3578.74 -405.51,3578.74 -371.85,3612.4 RJ1.8@-371.85,3665.75
CC_BOOT: R9.1 SW4.1 SW5.5 U1.16 U2.31 | length 6721.3
  Top Layer w10: SW5.5@291.54,-1096.46 291.54,-1006.45 291.98,-1006 291.98,-997.98 v1(293.9,-996.06) ; v1(748.03,1629.92) 909.45,1791.34 v1(909.45,2826.77) ; U2.31@1053.15,3694.09 1065.87,3681.38 1079.84,3681.38 v1(1162.48,3598.73) ; v1(1653.54,3523.62) 1803.15,3523.62 1949.96,3376.81 U1.16@2016.85,3376.81 2131.97,3376.81 R9.1@2134.76,3374.02 2165.35,3404.61 SW4.1@2165.35,3448.82
  Bottom Layer w10: v1(293.9,-996.06) 195.73,-897.9 195.73,-307.8 194.6,-306.67 194.6,1076.49 v1(748.03,1629.92) ; v1(909.45,2826.77) 976.38,2893.7 1237.78,2893.7 1408.33,3064.25 1408.33,3195.73 1653.54,3440.94 v1(1653.54,3523.62) 1578.43,3598.73 v1(1162.48,3598.73)
CC_EN: R8.1 SW3.2 SW5.6 U1.10 U2.30 | length 6899.7
  Top Layer w10: SW5.6@241.54,-1096.46 242.82,-1095.18 242.82,-997.34 v1(244.09,-996.06) ; v1(696.85,1622.05) 877.95,1803.15 v1(877.95,2854.33) ; U2.30@1053.15,3644.09 1065.57,3631.67 1094.18,3631.67 1154.66,3571.2 1181.43,3571.2 v1(1183.35,3573.11) ; v1(1299.21,3527.56) 1367.94,3527.56 U1.10@1368.73,3526.77 1469.29,3526.77 1573.43,3422.64 1573.43,3399.02 v1(1574.8,3397.64) 1618.11,3440.94 1618.11,3696.85 1700.79,3779.53 v1(1732.28,3779.53) ; v1(2098.43,3779.53) 2157.48,3779.53 SW3.2@2165.35,3771.65 2165.35,3731.38 R8.1@2134.76,3700.79
  Bottom Layer w10: v1(244.09,-996.06) 177.73,-929.7 177.73,-315.26 176.6,-314.12 176.6,1101.8 v1(696.85,1622.05) ; v1(877.95,2854.33) 936.44,2912.82 1231.45,2912.82 1390.33,3071.7 1390.33,3213.17 v1(1574.8,3397.64) ; v1(1183.35,3573.11) 1253.66,3573.11 v1(1299.21,3527.56) ; v1(1732.28,3779.53) v1(2098.43,3779.53)
CC_RX: SW5.8 SW6.8 U1.8 | length 5916.7
  Top Layer w10: SW6.8@-43.11,-1098.23 -43.11,-1043.11 -19.69,-1019.68 90.55,-1019.68 114.17,-996.06 v1(141.73,-996.06) 141.63,-996.16 141.63,-1096.36 SW5.8@141.54,-1096.46 ; v1(590.55,1602.36) 818.9,1830.71 818.9,1838.58 818.9,2893.7 v1(874.02,2948.82) ; U1.8@1368.73,3626.77 1459.84,3626.77 v1(1574.8,3511.81)
  Bottom Layer w10: v1(141.73,-996.06) 141.73,-330.17 140.6,-329.04 140.6,1152.41 v1(590.55,1602.36) ; v1(874.02,2948.82) 1216.54,2948.82 1354.33,3086.61 1354.33,3248.03 1574.8,3468.5 v1(1574.8,3511.81)
CC_TX: SW5.7 SW6.7 U1.9 | length 5907.2
  Top Layer w10: SW6.7@6.89,-1098.23 6.89,-1140.75 23.62,-1157.48 177.17,-1157.48 191.54,-1143.11 SW5.7@191.54,-1096.46 192.22,-1095.77 192.22,-996.75 v1(192.91,-996.06) ; v1(645.67,1618.11) 850.39,1822.83 v1(850.39,2885.83) ; U1.9@1368.73,3576.77 1462.6,3576.77 v1(1590.55,3448.82)
  Bottom Layer w10: v1(192.91,-996.06) 159.73,-962.88 159.73,-322.71 158.6,-321.58 158.6,1131.04 v1(645.67,1618.11) ; v1(850.39,2885.83) 895.39,2930.82 1223.99,2930.82 1372.33,3079.16 1372.33,3230.6 v1(1590.55,3448.82)
D+: IC1.5 USB1.3 | length 453.5
  Top Layer w10: IC1.5@664.45,-644.29 717.91,-644.29 799.21,-562.99 1040.14,-562.99 1067.7,-590.55 USB1.3@1072.83,-590.55
D-: IC1.6 USB1.2 | length 443.1
  Top Layer w10: IC1.6@664.45,-594.29 740.35,-594.29 791.34,-543.31 1040.08,-543.31 USB1.2@1072.83,-510.55
DC_IN: J3.1 JP6.1
  other v1: 2421.26,3905.51 2464.57,3905.51 2503.94,3905.51 2397.64,3944.88 2440.94,3944.88 2484.25,3944.88
DTR: IC1.13 SW5.4 SW6.4 | length 1346
  Top Layer w10: SW6.4@-93.11,-1423.23 -93.11,-1469.88 -50.61,-1512.38 259.28,-1512.38 291.54,-1480.12 SW5.4@291.54,-1423.23 291.44,-1423.13 291.44,-1338.68 v1(291.34,-1338.58) ; v1(377.95,-692.91) 378.64,-693.6 437.22,-693.6 IC1.13@437.91,-694.29
  Bottom Layer w10: v1(291.34,-1338.58) 291.34,-1259.84 348.71,-1202.47 348.71,-722.16 v1(377.95,-692.91)
EC11_A: R1.2 SW1.A U2.4 | length 4110.6
  Top Layer w10: U2.4@364.17,3994.09 419.29,3994.09 v1(547.24,3866.14) ; R1.2@2510.91,2263.78 SW1.A@2627.95,2263.78
  Bottom Layer w10: v1(547.24,3866.14) 547.24,3648.07 545.67,3646.5 542.74,3643.53 542.38,3496.7 542.38,2504.59 1035.16,2011.81 2314.96,2011.81 2566.93,2263.78 SW1.A@2627.95,2263.78
EC11_B: R10.2 SW1.B U2.5 | length 4047.4
  Top Layer w10: U2.5@364.17,3944.09 422.05,3944.09 522.24,3843.9 v1(522.24,3822.83) ; R10.2@2510.91,2165.35 2609.33,2066.93 SW1.B@2627.95,2066.93
  Bottom Layer w10: v1(522.24,3822.83) 524.16,3820.92 524.16,2497.36 1027.71,1993.81 2478.06,1993.81 2551.18,2066.93 SW1.B@2627.95,2066.93
EC11_BTN: R12.2 SW1.1 U2.6 | length 4552.2
  Top Layer w10: U2.6@364.17,3894.09 412.99,3894.09 498.09,3809 498.09,3788.47 v1(499.16,3787.4) ; R12.2@2510.91,2066.93 2559.06,2018.78 v1(2559.06,1972.44) 2681.1,1972.44 2775.59,2066.93 SW1.1@3198.82,2066.93
  Bottom Layer w10: v1(499.16,3787.4) 499.16,2496.91 1023.62,1972.44 v1(2559.06,1972.44)
ESP_485_RX: R36.2 R37.2 U2.16 | length 3959.3
  Top Layer w10: v1(-1818.9,1271.65) -1816.98,1269.74 -1816.98,1266.71 -1735.42,1185.14 -1735.42,1165.25 R37.2@-1755,1145.67 ; v1(224.41,3366.14) 417.72,3366.14 462.38,3410.8 462.38,3411.79 470.94,3420.35 470.94,3432.17 U2.16@483.66,3444.88
  Bottom Layer w10: v1(-1818.9,1271.65) -1818.9,1433.07 -1732.28,1519.69 -792.63,1519.69 118.11,2430.43 118.11,3259.84 v1(224.41,3366.14)
ESP_485_TX: R33.1 U2.17 | length 3708
  Top Layer w10: v1(-1759.84,1448.82) -1759.84,1359.17 R33.1@-1758.94,1358.27 ; v1(228.35,3334.65) 436.23,3334.65 512.38,3410.8 512.38,3411.79 533.66,3433.07 U2.17@533.66,3444.88
  Bottom Layer w10: v1(-1759.84,1448.82) -1759.84,1464.57 -1724.41,1500 -786.86,1500 136.11,2422.97 136.11,3242.41 v1(228.35,3334.65)
ESP_2321_RX: R40.1 U2.35 | length 4821.4
  Top Layer w10: R40.1@-1189.88,751.97 v1(-1011.81,751.97) ; v1(913.39,3909.45) 916.09,3909.45 931.45,3894.09 U2.35@1053.15,3894.09
  Bottom Layer w10: v1(-1011.81,751.97) -905.51,751.97 -787.4,870.08 -787.4,1397.64 217.28,2402.32 217.28,2841.97 361.09,2985.78 361.09,3898.89 499.88,4037.68 881.47,4037.68 913.39,4005.77 v1(913.39,3909.45)
ESP_2321_TX: R41.1 U2.34 | length 4902.2
  Top Layer w10: R41.1@-1189.88,692.91 -1000,692.91 v1(-913.39,779.53) ; v1(940.94,3862.2) 959.06,3844.09 U2.34@1053.15,3844.09
  Bottom Layer w10: v1(-913.39,779.53) -807.09,885.83 -807.09,1403.41 195.17,2405.66 195.17,2845.31 343.09,2993.23 343.09,3906.35 492.42,4055.68 889.2,4055.68 940.94,4003.94 v1(940.94,3862.2)
ESP_2322_RX: R43.1 U2.33 | length 5097
  Top Layer w10: R43.1@-1189.88,574.8 -1019.68,574.8 -834.65,759.84 v1(-834.65,901.57) ; v1(968.5,3807.09) 971.21,3807.09 984.2,3794.09 U2.33@1053.15,3794.09
  Bottom Layer w10: v1(-834.65,901.57) -834.65,1401.31 177.17,2413.12 177.17,2852.77 325.09,3000.69 325.09,3913.8 485.88,4074.6 905.72,4074.6 968.5,4011.81 v1(968.5,3807.09)
ESP_2322_TX: R42.1 U2.32 | length 5120.5
  Top Layer w10: R42.1@-1189.88,633.86 -1000,633.86 -862.2,771.65 v1(-862.2,933.07) ; v1(1003.9,3768.28) 1005.81,3766.37 1018.07,3766.37 1018.68,3765.76 1019.67,3765.76 1041.34,3744.09 U2.32@1053.15,3744.09
  Bottom Layer w10: v1(-862.2,933.07) -862.2,1399.2 157.48,2418.89 157.48,2858.54 307.09,3008.14 307.09,3921.26 478.42,4092.6 919.21,4092.6 1003.9,4007.91 v1(1003.9,3768.28)
ESP_BOOT: Q2.3 U2.27 | length 5627.9
  Top Layer w10: Q2.3@59.06,-742.4 v1(59.06,-614.17) ; v1(842.52,3814.96) 899.69,3757.79 899.69,3634.76 1019.69,3514.75 1020.68,3514.75 1041.34,3494.09 U2.27@1053.15,3494.09
  Bottom Layer w10: v1(59.06,-614.17) 10.69,-565.81 10.69,1546.13 469.09,2004.52 469.09,3825.79 537,3893.7 763.78,3893.7 v1(842.52,3814.96)
ESP_CC_RX: SW6.6 U2.28 | length 6311.3
  Top Layer w10: SW6.6@6.89,-1423.23 7.14,-1422.98 7.14,-1358.21 v1(7.38,-1357.96) ; v1(885.83,3818.9) 917.69,3787.04 917.69,3666.76 1019.07,3565.38 1020.05,3565.38 1041.34,3544.09 U2.28@1053.15,3544.09
  Bottom Layer w10: v1(7.38,-1357.96) -7.31,-1343.27 -7.31,1553.58 451.09,2011.98 451.09,3833.25 531.23,3913.39 791.34,3913.39 v1(885.83,3818.9)
ESP_CC_TX: SW6.5 U2.29 | length 6321.9
  Top Layer w10: v1(-43.21,-1357.96) v1(-43.21,-1357.96) -43.16,-1423.18 SW6.5@-43.11,-1423.23 ; v1(852.32,3887.76) 935.69,3804.39 935.69,3698.76 1019.07,3615.38 1020.05,3615.38 1041.34,3594.09 U2.29@1053.15,3594.09
  Bottom Layer w10: v1(-43.21,-1357.96) -25.31,-1340.06 -25.31,1561.04 433.09,2019.43 433.09,3840.7 525.46,3933.07 807.01,3933.07 v1(852.32,3887.76)